# Altium PCB HSBNE-IO.PcbDoc (part 1 of 2) (continued)
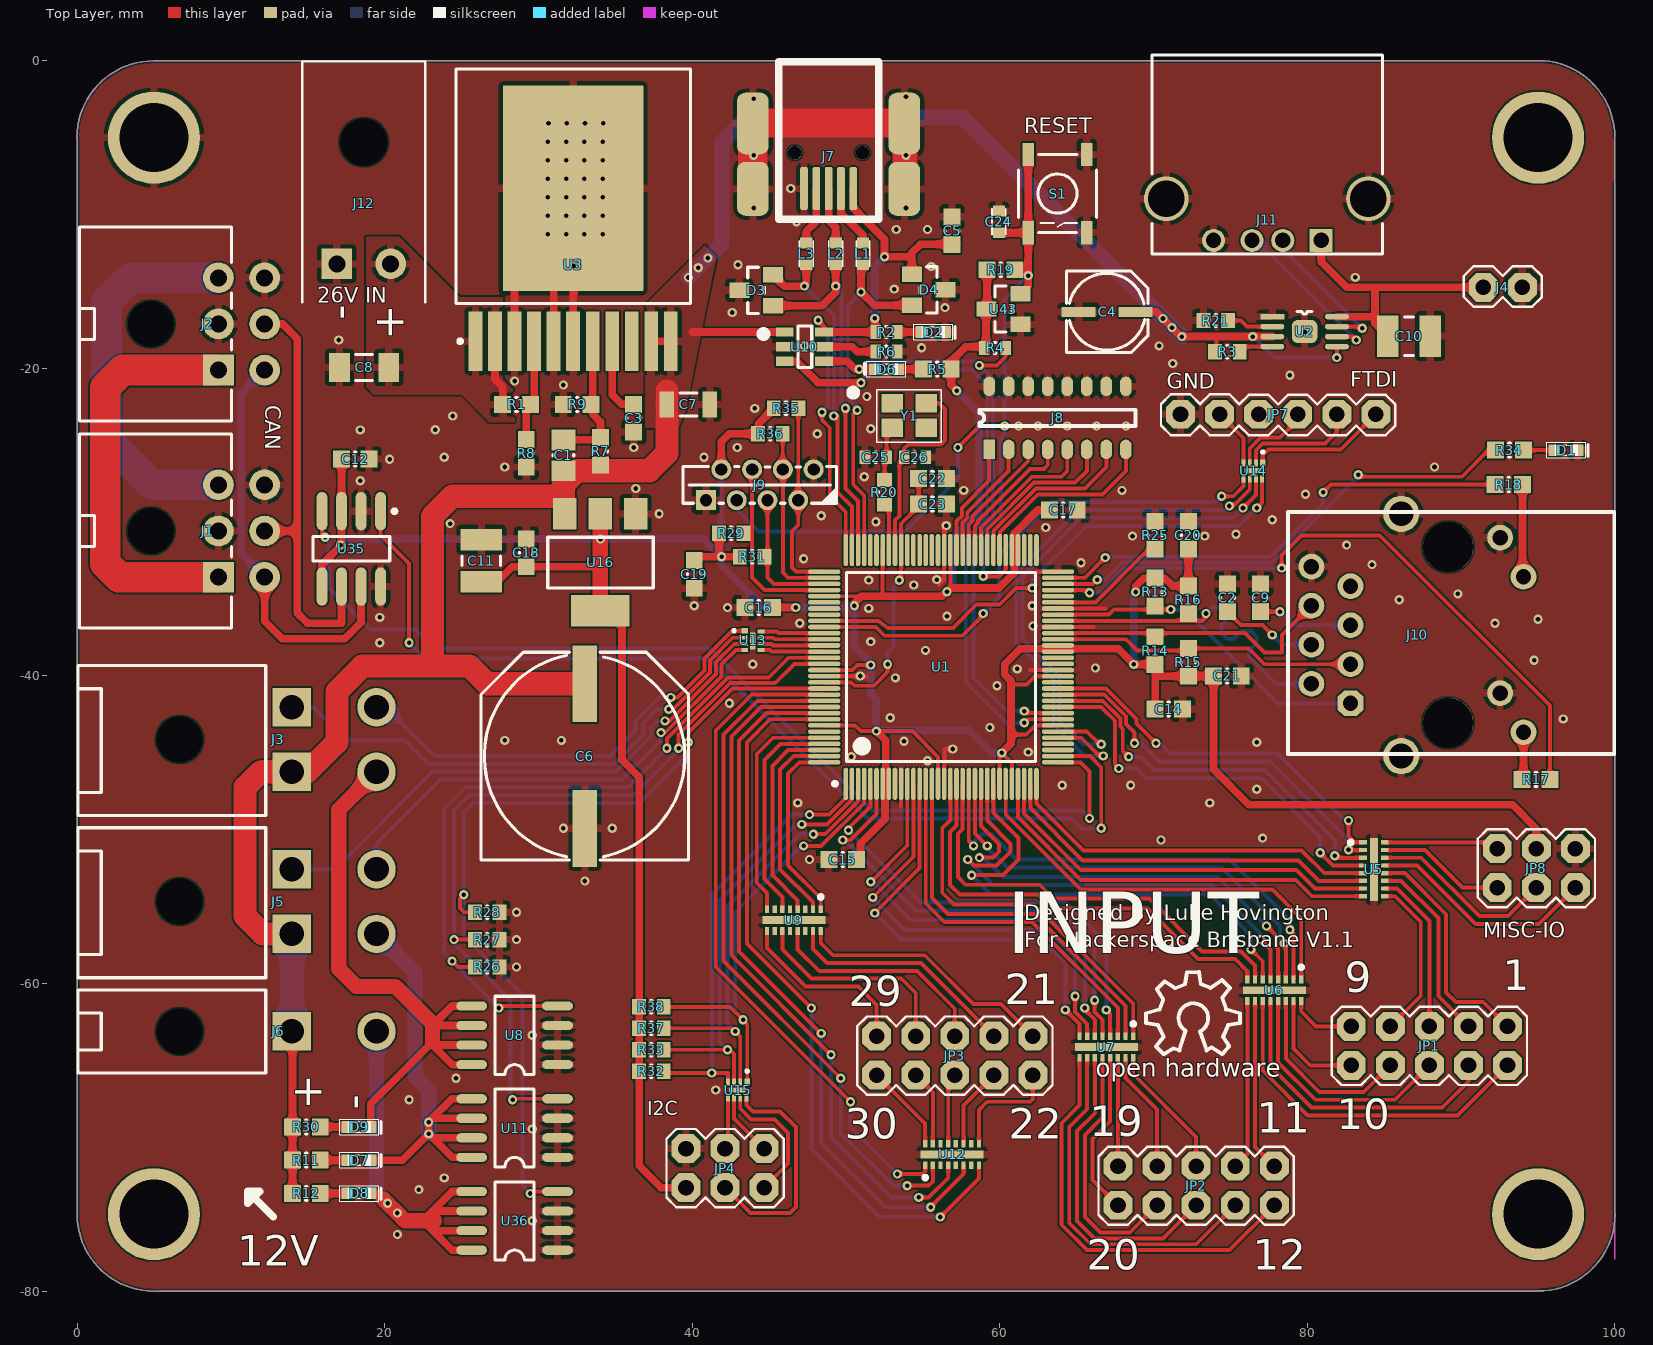
[diagram p0: Top Layer view]
## Footprints (in the part's own frame and the unit in brackets; to place one, negate y for a bottom-side part, rotate by r counter-clockwise, add the part's x,y. Pads: shape width x height; smd on the part's side, far side on the other; paste and mask are expansions set on the pad) (continued)
TACTILE_SWITCH_SMD [mil]
  rect 60x30 smd: 1(-100,75) 2(100,75) 3(-100,-75) 4(100,-75)
  silkscreen extent -100,-100 100,100, body extent -103,-108 103,103, height 122
TE-1734366-1_V [mm] "Connector, 6-Leads, Body 7.62x15mm"
  rect 1.5x1.5 hole 1: 1(0,0)
  round 1.5 hole 1: 2(2.5,0) 3(4.5,0) 4(7,0)
  round 2.9 hole 2.38: 5(-3.07,-2.71) 6(10.07,-2.71)
  silkscreen extent -4,-12.06 11,0.89, body extent -3.87,-12.91 10.98,0.89, height 7.6
TI-PDT128_M [mm] "Thin QFP, 128-Leads, Body 14x14mm, Pitch 0.4mm, IPC Low Density"
  oval 2.1x0.3 smd: 1(-7.6,6.2) 2(-7.6,5.8) 3(-7.6,5.4) 4(-7.6,5) 5(-7.6,4.6) 6(-7.6,4.2) 7(-7.6,3.8) 8(-7.6,3.4) 9(-7.6,3) 10(-7.6,2.6) 11(-7.6,2.2) 12(-7.6,1.8) 13(-7.6,1.4) 14(-7.6,1) 15(-7.6,0.6) 16(-7.6,0.2) 17(-7.6,-0.2) 18(-7.6,-0.6) 19(-7.6,-1) 20(-7.6,-1.4) 21(-7.6,-1.8) 22(-7.6,-2.2) 23(-7.6,-2.6) 24(-7.6,-3) 25(-7.6,-3.4) 26(-7.6,-3.8) 27(-7.6,-4.2) 28(-7.6,-4.6) 29(-7.6,-5) 30(-7.6,-5.4) 31(-7.6,-5.8) 32(-7.6,-6.2) 65(7.6,-6.2) 66(7.6,-5.8) 67(7.6,-5.4) 68(7.6,-5) 69(7.6,-4.6) 70(7.6,-4.2) 71(7.6,-3.8) 72(7.6,-3.4) 73(7.6,-3) 74(7.6,-2.6) 75(7.6,-2.2) 76(7.6,-1.8) 77(7.6,-1.4) 78(7.6,-1) 79(7.6,-0.6) 80(7.6,-0.2) 81(7.6,0.2) 82(7.6,0.6) 83(7.6,1) 84(7.6,1.4) 85(7.6,1.8) 86(7.6,2.2) 87(7.6,2.6) 88(7.6,3) 89(7.6,3.4) 90(7.6,3.8) 91(7.6,4.2) 92(7.6,4.6) 93(7.6,5) 94(7.6,5.4) 95(7.6,5.8) 96(7.6,6.2)
  oval 0.3x2.1 smd: 33(-6.2,-7.6) 34(-5.8,-7.6) 35(-5.4,-7.6) 36(-5,-7.6) 37(-4.6,-7.6) 38(-4.2,-7.6) 39(-3.8,-7.6) 40(-3.4,-7.6) 41(-3,-7.6) 42(-2.6,-7.6) 43(-2.2,-7.6) 44(-1.8,-7.6) 45(-1.4,-7.6) 46(-1,-7.6) 47(-0.6,-7.6) 48(-0.2,-7.6) 49(0.2,-7.6) 50(0.6,-7.6) 51(1,-7.6) 52(1.4,-7.6) 53(1.8,-7.6) 54(2.2,-7.6) 55(2.6,-7.6) 56(3,-7.6) 57(3.4,-7.6) 58(3.8,-7.6) 59(4.2,-7.6) 60(4.6,-7.6) 61(5,-7.6) 62(5.4,-7.6) 63(5.8,-7.6) 64(6.2,-7.6) 97(6.2,7.6) 98(5.8,7.6) 99(5.4,7.6) 100(5,7.6) 101(4.6,7.6) 102(4.2,7.6) 103(3.8,7.6) 104(3.4,7.6) 105(3,7.6) 106(2.6,7.6) 107(2.2,7.6) 108(1.8,7.6) 109(1.4,7.6) 110(1,7.6) 111(0.6,7.6) 112(0.2,7.6) 113(-0.2,7.6) 114(-0.6,7.6) 115(-1,7.6) 116(-1.4,7.6) 117(-1.8,7.6) 118(-2.2,7.6) 119(-2.6,7.6) 120(-3,7.6) 121(-3.4,7.6) 122(-3.8,7.6) 123(-4.2,7.6) 124(-4.6,7.6) 125(-5,7.6) 126(-5.4,7.6) 127(-5.8,7.6) 128(-6.2,7.6)
  silkscreen extent -7.72,-6.15 6.15,7.02, body extent -7,-7 7,7, height 1.2

## Part data
C1: library part CMP-1036-04051-1, "CAP 22nF 25V ±5% 0805 (2012 Metric) Thickness 1mm SMD", Case-EIA=0805, Case-Metric=2012, Rated Voltage="25 V", Tolerance=±5%, Max Thickness="1 mm", Technology=SMT
C2 C9: library part CMP-1035-02594-1, "CAP 100nF 50V -20% to +80% 0603 (1608 Metric) Thickness 1mm SMD", Case-EIA=0603, Case-Metric=1608, Rated Voltage="50 V", Tolerance="-20% to +80%", Max Thickness="1 mm", Technology=SMT
C3: library part CMP-1035-00333-1, "CAP 4.7nF 50V ±20% 0603 (1608 Metric) Thickness 1mm SMD", Case-EIA=0603, Case-Metric=1608, Rated Voltage="50 V", Tolerance=±20%, Max Thickness="1 mm", Technology=SMT
C4: library part Cap_Polarized_100uF, "Polarized Capacitor (Surface Mount)", Supplier Part Number 1=PCE4718CT-ND, LatestRevisionDate=29-May-2009, LatestRevisionNote="IPC-7351 Footprint Added.", PackageDescription="Chip Capacitor", PackageReference=C0805, Published=8-Jun-2000, Publisher="Altium Limited", Supplier 1=Digi-Key, Supplier 2=Mouser, Supplier Part Number 2=667-EEE-HAJ101WAR
C5 C12 C14 C15 C16 C17 C20 C21 C22: library part CMP-1035-00010-1, "CAP 100nF 50V ±0.1pF 0603 (1608 Metric) Thickness 1mm SMD", Case-EIA=0603, Case-Metric=1608, Rated Voltage="50 V", Tolerance=±0.1pF, Max Thickness="1 mm", Technology=SMT
C6: library part Cap_Polarized_1000uF, "Polarized Capacitor (Surface Mount)", Supplier Part Number 1=PCE3462CT-ND, LatestRevisionDate=29-May-2009, LatestRevisionNote="IPC-7351 Footprint Added.", PackageDescription="Chip Capacitor", PackageReference=C0805, Published=8-Jun-2000, Publisher="Altium Limited", Supplier 1=Digi-Key, Supplier 2=Mouser, Supplier Part Number 2=140-VE102M1ETR1313
C7: library part CMP-1037-00376-1, "CAP 47uF 25V ±0.25pF 1206 (3216 Metric) Thickness 1mm SMD", Case-EIA=1206, Case-Metric=3216, Rated Voltage="25 V", Tolerance=±0.25pF, Max Thickness="1 mm", Technology=SMT
C8: library part CMP-1037-04982-1, "CAP 10uF 50V ±10% 1206 (3216 Metric) Thickness 1.9mm SMD", Case-EIA=1206, Case-Metric=3216, Rated Voltage="50 V", Tolerance=±10%, Max Thickness="1.9 mm", Technology=SMT
C10 C11: library part CMP-1038-02259-1, "CAP 22uF 6.3V ±10% 1210 (3225 Metric) Thickness 2.2mm SMD", Case-EIA=1210, Case-Metric=3225, Rated Voltage="6.3 V", Tolerance=±10%, Max Thickness="2.2 mm", Technology=SMT
C18 C19: library part CMP-1035-00037-1, "CAP 1uF 25V ±0.25pF 0603 (1608 Metric) Thickness 1mm SMD", Case-EIA=0603, Case-Metric=1608, Rated Voltage="25 V", Tolerance=±0.25pF, Max Thickness="1 mm", Technology=SMT
C23: library part CMP-1035-02796-1, "CAP 10uF 6.3V ±10% 0603 (1608 Metric) Thickness 1mm SMD", Case-EIA=0603, Case-Metric=1608, Rated Voltage="6.3 V", Tolerance=±10%, Max Thickness="1 mm", Technology=SMT
C24: library part Cap_100pF, "Capacitor (Semiconductor SIM Model)", LatestRevisionDate=29-May-2009, LatestRevisionNote="IPC-7351 Footprint Added.", PackageDescription="Chip Capacitor", PackageReference=C1206, Published=8-Jun-2000, Publisher="Altium Limited"
C25 C26: library part CMP-1035-00602-1, "CAP 12pF 16V ±0.25pF 0603 (1608 Metric) Thickness 1mm SMD", Case-EIA=0603, Case-Metric=1608, Rated Voltage="16 V", Tolerance=±0.25pF, Max Thickness="1 mm", Technology=SMT
D1 D2 D6 D7 D8 D9: "Typical RED, GREEN, YELLOW, AMBER GaAs LED", Supplier Part Number 1=475-1409-1-ND, LatestRevisionDate=17-Jul-2002, LatestRevisionNote="Re-released for DXP Platform.", PackageDescription="SM LED; 2 Flat Leads", PackageReference=3.2X1.6X1.1, PackageVersion=Feb-2002, Published=8-Jun-2000, Publisher="Altium Limited", Supplier 1=Digi-Key, Supplier 2=Mouser, Supplier Part Number 2=720-LGQ971-KN-1
D3 D4: library part 2749, "DIO GSOT12C ESD 2LINE 12V SOT23", MPN=GSOT12C-E3-08, COST1K=0.11250, COST10=0.3750, COST100=0.25000, MAN="Vishay Semiconductor Diodes Division", SPN=GSOT12C-E3-08DKR-ND, Supplier=Digi-Key
J1 J2: library part CON6, CID=317
J3 J5: library part "Header 2x2", "Header, 4-Pin", Supplier Part Number 1=1593440, Supplier 1=Farnell
J4 J6 J12: library part CON2, "6.35mm right-angle 90° male spade terminal PCB mount", CID=643, CID2=643, CID3=643
J7: library part CMP-0411-00002-1, "USB, MINI, SMD, RA KME04-USBMU03A01", Manufacturer=Molex, ComponentLink1Description="Manufacturer URL", ComponentLink1URL=http://www.molex.com/, ComponentLink2Description=Datasheet, ComponentLink2URL=http://www.molex.com/pdm_docs/sd/675031020_sd.pdf, DatasheetVersion="Rev F, 06/2009", Mounting Technology="Surface Mount", PackageDescription="Mini USB Connector, SMT, Righer Angle", PackageReference=67503-1020, PartNumber=67503-1020, Terminal Pitch="0.8 mm"
J8: library part DIP8, Supplier Part Number 1=CT3111-ND, Supplier 1=Digikey
J9: library part CON8, CID=238
J10: Supplier Part Number 1=ARJC02-111008B-ND, Supplier 1=Digikey
J11: library part CMP-1684-00007-1, "Recept Assy, Vertical, 4 Position, Thru-Hole, Type A USB, RoHS, Tray", Case\Package=SMA, Forward Voltage="500 mV", Max Operating Temperature="125 degC", Max Surge Current="40 A", Min Operating Temperature="-65 degC", Package Quantity=7500, Peak Reverse Current="200 uA", ComponentLink1Description="Manufacturer URL", ComponentLink1URL=http://www.te.com/, ComponentLink2Description=Datasheet, ComponentLink2URL=http://www.te.com/commerce/DocumentDelivery/DDEController?Action=showdoc&DocId=Customer+Drawing%7F1734366%7FC3%7Fpdf%7FEnglish%7FENG_CD_1734366_C3.pdf%7F1734366-1, DatasheetVersion="Rev. C3, 03/2016", Mount="Surface Mount", PackageDescription="6-Pin Through Hole Device, Length 15 mm, Height 15 mm, Tail Length 2.8 mm", PackageReference=1734366-1, Packaging="Tape and Reel", Pins=2, Radiation Hardening=No, REACH SVHC="No SVHC", RoHSCompliant=true
JP1 JP2 JP3: library part "Header 5x2", "Header, 8-Pin", Supplier Part Number 1=1593440, Supplier 1=Farnell
JP4 JP8: library part "Header 3x2", "Header, 6-Pin", Supplier Part Number 1=952-1788-ND, Supplier 1=Digi-Key, Supplier 2=Mouser, Supplier Part Number 2=855-M20-9980446
JP7: library part "Header 6", "Header, 6-Pin", Supplier Part Number 1=952-2270-ND, Supplier 1=Digi-Key, Supplier 2=Mouser, Supplier Part Number 2=538-90120-1086
L1 L2 L3: library part 2982, "IND FERRITE CHIP BEAD 1000 OHM @ 100MHz 800mA 0603", COST1K=0.02717, COST10=0.0790, COST100=0.04720, MAN="TDK Corporation", MPN=MPZ1608S102A, SPN=445-8694-6-ND, Supplier=Digi-Key
R1 R26 R27 R28 R29 R31 R32 R33 R35 R36 R37 R38: library part CMP-1012-00098-1, "10K 0.1W 5% 0603 (1608 Metric)  SMD", Case-EIA=0603, Case-Metric=1608, Power="0.1 W", Tolerance="5 %", Technology=SMT
R2: library part CMP-1012-00056-1, "180R 0.1W 5% 0603 (1608 Metric)  SMD", Case-EIA=0603, Case-Metric=1608, Power="0.1 W", Tolerance="5 %", Technology=SMT
R3 R21: library part CMP-1012-00660-1, "22K1 0.1W 1% 0603 (1608 Metric)  SMD", Case-EIA=0603, Case-Metric=1608, Power="0.1 W", Tolerance="1 %", Technology=SMT
R4 R6: library part CMP-1012-00103-1, "16K 0.1W 5% 0603 (1608 Metric)  SMD", Case-EIA=0603, Case-Metric=1608, Power="0.1 W", Tolerance="5 %", Technology=SMT
R5: library part CMP-1012-00046-1, "68R 0.1W 5% 0603 (1608 Metric)  SMD", Case-EIA=0603, Case-Metric=1608, Power="0.1 W", Tolerance="5 %", Technology=SMT
R7: library part CMP-1012-00096-1, "8K2 0.1W 5% 0603 (1608 Metric)  SMD", Case-EIA=0603, Case-Metric=1608, Power="0.1 W", Tolerance="5 %", Technology=SMT
R8 R9: library part CMP-1012-00078-1, "1K5 0.1W 5% 0603 (1608 Metric)  SMD", Case-EIA=0603, Case-Metric=1608, Power="0.1 W", Tolerance="5 %", Technology=SMT
R11 R12 R17 R18 R30 R34: library part CMP-1012-00058-1, "220R 0.1W 5% 0603 (1608 Metric)  SMD", Case-EIA=0603, Case-Metric=1608, Power="0.1 W", Tolerance="5 %", Technology=SMT
R13 R14 R15 R16: library part CMP-1012-00042-1, "49.9R 0.1W 5% 0603 (1608 Metric)  SMD", Case-EIA=0603, Case-Metric=1608, Power="0.1 W", Tolerance="5 %", Technology=SMT
R19: library part CMP-1012-00083-1, "2K43 0.1W 5% 0603 (1608 Metric)  SMD", Case-EIA=0603, Case-Metric=1608, Power="0.1 W", Tolerance="5 %", Technology=SMT
R20: library part CMP-1012-00081-1, "2K 0.1W 5% 0603 (1608 Metric)  SMD", Case-EIA=0603, Case-Metric=1608, Power="0.1 W", Tolerance="5 %", Technology=SMT
R25: library part CMP-1012-00090-1, "4K87 0.1W 5% 0603 (1608 Metric)  SMD", Case-EIA=0603, Case-Metric=1608, Power="0.1 W", Tolerance="5 %", Technology=SMT
S1: library part SW-PB, "Switch", Supplier Part Number 1=P12931SCT-ND, LatestRevisionDate=17-Jul-2002, LatestRevisionNote="Re-released for DXP Platform.", PackageDescription="Switch; 2 Leads", PackageReference=SPST-2, Published=24-Mar-1999, Publisher="Altium Limited", Supplier 1=Digi-Key
U1: library part CMP-0945-00007-1, "Tiva C Series Microcontroller, 1024 KB Flash, 256 KB SRAM, 12 Bit, 20 Channels, -40 to 85 degC, 128-Pin TQFP (PDT), Green (RoHS & no Sb/Br), Tape and Reel", Manufacturer="Texas Instruments", Temperature Range="-40 to 85 degC", ADC Channels=20, ADC Resolution="12 Bits", ComponentLink1Description="Manufacturer URL", ComponentLink1URL=http://www.ti.com/, ComponentLink2Description=Datasheet, ComponentLink2URL=http://www.ti.com/lit/ds/symlink/tm4c1294ncpdt.pdf, ComponentLink3Description="Package Specification", ComponentLink3URL=http://www.ti.com/lit/ml/mpqf013/mpqf013.pdf, CPU="ARM Cortex-M4", DatasheetVersion=15863.2743, Eco-Plan="Green (RoHS & no Sb/Br)", Flash="1024 KB", Max Speed="120 MHz", Mounting Technology="Surface Mount", PackageDescription="128-Pin Thin Quad Flat Package, Body 14 x 14 mm, Pitch 0.4 mm", PackageVersion=4087726/A, Packing="Tape and Reel", PartId=2, PartNumber=TM4C1294NCPDTI3R, SRAM="256 KB"
U2: "USB Dedicated Charging Port, Power Switch", Supplier Part Number 1=296-30552-1-ND, Supplier 1=Digikey
U3: library part CMP-0069-02067-2, "10A SIMPLE SWITCHER® Power Module with 36V Maximum Input Voltage and Current Sharing, 11 pin TO-PMOD, 32 Rail", Manufacturer="Texas Instruments", PackageTopMarking=NSUZXYTTE#*LMZ23610, PowerWise=N, ComponentLink1Description="Datasheet URL", ComponentLink1URL=http://www.ti.com/general/docs/lit/getliterature.tsp?genericPartNumber=LMZ23610&fileType=pdf, CompType=Switcher, PackageDescription="TO-PMOD, 15 x 15 x 5.9 mm Body, 11 Lead, 1.27 mm Pitch, Surface Mount", PackageReference=NDY0011A, PinCount=11, RoHS=Y
U5 U6 U7 U9 U12: library part CMP-1065-00001-1, "8-Channel EMI Filter with Integrated ESD Protection, -40 to 85 degC, 16-Pin DFN, Pb-Free, Tape and Reel", Manufacturer="On Semiconductor", ComponentLink1Description="Manufacturer URL", ComponentLink1URL=http://www.onsemi.com/, ComponentLink2Description=Datasheet, ComponentLink2URL=http://www.onsemi.com/pub/Collateral/NUF8402MN-D.PDF, ComponentLink3Description="Package Specification", ComponentLink3URL=http://www.onsemi.com/pub_link/Collateral/506AC.PDF, DatasheetVersion="Rev. 7", Mounting Technology="Surface Mount", Number of Lines=8, PackageDescription="16-Pin Small Outline No-Lead, Body 4 x 1.6 mm, Pitch 0.5 mm", PackageReference=DFN-16-506AC, PackageVersion="Rev. D, 08/2013", Packing="Tape and Reel", PartNumber=NUF8402MNT4G, RoHS=Pb-Free, V(BR) Typ (V)=7, VRWM Max (V)=5
U8 U11 U36: "MOSFET N-CH 60V 1.3A S08", Manufacturer="On Semiconductor", PartNumber=NCV8402ASTT1G, Channel Polarity="N Channel", ComponentLink1Description="Manufacturer URL", ComponentLink1URL=http://www.onsemi.com/, ComponentLink2Description=Datasheet, ComponentLink2URL=http://www.onsemi.com/pub_link/Collateral/NCV8402-D.PDF, ComponentLink3Description="Package Specification", ComponentLink3URL=http://www.onsemi.com/pub_link/Collateral/318E-04.PDF, DatasheetVersion="Rev. 8", Mounting Technology="Surface Mount", PackageDescription="4-Pin Small Outline Transistor, Body 6.5 x 3.5 mm, Pitch 2.3 mm", PackageReference=SOT-223-4-318E-04, PackageVersion="Rev. N, 08/2009", Packing="Tape and Reel", RoHS=Pb-Free
U10: library part RT9728A, "BD2242G-GTR", Supplier Part Number 1=BD2242G-GCT-ND, Supplier 1=Digi-Key
U13 U14 U15: library part CMP-1066-00052-1, "4-Channel EMI Filter with Integrated ESD Protection, -40 to 85 degC, 8-Pin UDFN, Pb-Free, Tape and Reel", Manufacturer="On Semiconductor", ComponentLink1Description="Manufacturer URL", ComponentLink1URL=http://www.onsemi.com/, ComponentLink2Description=Datasheet, ComponentLink2URL=http://www.onsemi.cn/pub_link/Collateral/NUF4001MU-D.PDF, ComponentLink3Description="Package Specification", ComponentLink3URL=http://www.onsemi.com/pub_link/Collateral/517AD.PDF, DatasheetVersion="Rev. 7", Mounting Technology="Surface Mount", Number of Lines=4, PackageDescription="8-Pin Small Outline No-Lead, Body 1.8 x 1.2 mm, Pitch 0.4 mm", PackageReference=UDFN-8-517AD, PackageVersion="Rev. D, 10/2012", Packing="Tape and Reel", PartNumber=NUF4001MUT2G, RoHS=Pb-Free, V(BR) Typ (V)=7, VRWM Max (V)=5
U16: library part AZ1117EH, "Reg 1A 3V3 OUT SIP VERT", Supplier Part Number 1=AZ1117EH-3.3TRG1DICT-ND, Supplier 1=Digi-Key
U35: library part CMP-0315-00083-1, "3.3V CAN Transceiver with Sleep Mode, 6 mA, -40 to 125 degC, 8-pin SOIC (D), Green (RoHS & no Sb/Br)", Bus Fault Voltage(V)=+/-30, Drivers Per Package=1, Low Power Mode=Sleep, Manufacturer="Texas Instruments", Rating=Catalog, Supply Voltage(s)(V)=3.3, Code_JEDEC=MS-012AA, ComponentLink1Description=Datasheet, ComponentLink1URL=http://www.ti.com/general/docs/lit/getliterature.tsp?genericPartNumber=SN65HVD234&fileType=pdf, DatasheetVersion=SLLS557F, Eco-Plan="Green (RoHS & no Sb/Br)", ICC(Max)(mA)=6, Isolated=No, Mounting Technology="Surface Mount", PackageDescription="8-Pin Plastic Small Outline Integrated Circuit, 4.9 x 3.9 mm, Pitch 1.27 mm Pitch", PackageReference=D8, PackageVersion="revM, Jun-2011", PartNumber=SN65HVD234D, Receivers Per Package=1, SubFamily=CAN, Transient Pulse Protection(V)="-100 to 100"
U43: "IC MPU RESET CIRC 3.08V SOT23R-3", Supplier Part Number 1=APX803-31SRG-7DICT-ND, Supplier 1=Digi-Key
Y1: library part Crystal_25MHz, "Surface Mount Quartz Crystal", PackageDocument=28-Aug-2001, Supplier Part Number 1=644-1259-1-ND, ComponentLink1Description="Manufacturer Link", ComponentLink1URL=http://www.cmac.com/mt/, ComponentLink2Description=Datasheet, ComponentLink2URL=http://www.cmac.com/mt/databook/crystals/smd/90_91_smx.pdf, DatasheetDocument=28-Aug-2001, Note="PCB layout complies with manufacturer's recommendation.", PackageReference=91SMX, Published=17-Jul-2002, Publisher="Altium Limited", Supplier 1=Digi-Key

## Free pads (board coordinates)
  round 6 hole 4.5 unplated: ""(5,-75) ""(95,-75) ""(95,-5)
  round 6 hole 4.5: ""(5,-5)

## Via types
v1: diameter 0.6, hole 0.3, Top Layer to Bottom Layer, tented both sides, 248 vias
v2: diameter 0.6, hole 0.3, Top Layer to Bottom Layer, tented bottom, 33 vias

## Nets (pads, with @x,y where several pads share a name; then routed paths per layer and width w, separated by ;. In a path a pad name is that pad's centre, name@x,y a point inside that pad or via, vN(x,y) a via of type N, cw(c..) or ccw(c..) an arc to the next point about the centre after c; other vN are vias at no path point)
3V3: C11.2 C12.2 C14.2 C15.2 C16.2 C17.2 C18.2 C19.2 C20.2 C21.2 J9.2 JP4.1 JP8.4 R4.2 R5.2 R13.2 R14.2 R15.2 R16.2 R19.2 R29.2 R31.2 R32.2 R33.2 R35.1 R36.1 R37.2 R38.2 U1.7 U1.8 U1.16 U1.26 U1.28 U1.39 U1.47 U1.51 U1.52 U1.68 U1.69 U1.79 U1.90 U1.101 U1.113 U1.122 U16.2 U16.4 U35.3 U35.5 U43.3 | length 283.9
  Top Layer w0.254: U1.122@48.585,-43.221 50.597,-43.221 50.969,-43.593 v1(51.975,-43.593) 54.315,-43.593 55.985,-45.263 U1.16@55.985,-47.021 ; U1.113@48.585,-39.621 50.422,-39.621 50.749,-39.294 v1(51.613,-39.294) ; U1.101@48.585,-34.821 51.006,-34.821 ; 52.385,-34.811 U1.90@52.385,-31.821 ; 56.785,-34.122 U1.79@56.785,-31.821 ; U1.26@59.985,-47.021 59.985,-45.146 v1(60.122,-45.009) 60.785,-45.672 U1.28@60.785,-47.021 U1.28@60.785,-45.988 ; 60.729,-43.815 61.722,-43.815 62.316,-43.221 U1.39@63.785,-43.221 ; 60.757,-40.564 61.738,-40.564 62.281,-40.021 U1.47@63.785,-40.021
  Top Layer w0.5: U35.5@15.926,-34.19 15.926,-32.756 17.186,-31.496 v1(17.145,-31.496) 17.196,-31.445 U35.3@17.196,-29.29 C12.2@17.196,-25.909 ; C11.2@26.289,-33.887 27.327,-33.887 28.31,-32.904 C18.2@29.21,-32.904 34,-32.904 ; U16.4@34.366,-35.763 35.433,-36.83 35.433,-45.466 36.548,-46.581 R38.2@36.548,-61.519 R37.2@36.548,-62.916 R33.2@36.548,-64.313 R32.2@36.548,-65.71 36.548,-71.854 37.973,-73.279 JP4.1@39.594,-73.279 ; C19.2@40.132,-32.501 40.375,-32.258 v1(41.91,-32.258) ; R29.2@41.745,-30.734 41.745,-32.093 v1(41.91,-32.258) ; J9.2@41.894,-26.575 41.894,-24.781 42.418,-24.257 R36.1@44.285,-24.257 44.285,-23.622 R35.1@45.301,-22.606 ; R31.2@43.094,-32.258 v1(41.91,-32.258) ; C16.2@45.233,-35.55 v1(46.736,-35.55) ; v1(50.546,-35.433) 50.546,-35.281 51.006,-34.821 56.238,-34.821 56.769,-34.29 59.944,-34.29 60.96,-33.274 60.96,-30.734 62.484,-29.21 C17.2@63.235,-29.21 ; C15.2@50.938,-52.197 50.938,-50.916 52.533,-49.321 52.533,-47.797 52.578,-47.752 52.578,-44.196 v1(51.975,-43.593) ; v1(57.201,-21.453) 56.831,-21.083 R5.2@56.831,-20.056 56.831,-19.537 57.774,-18.594 59.106,-18.594 59.106,-16.18 U43.3@59.141,-16.145 ; U43.3@59.171,-16.115 R19.2@59.171,-13.589 ; v1(60.122,-45.009) 60.729,-44.402 60.729,-43.815 60.729,-40.333 60.325,-39.929 60.325,-39.243 61.341,-38.227 67.691,-38.227 v1(68.718,-39.254) R14.2@70.104,-39.254 70.104,-40.005 ; v1(68.834,-34.544) 68.834,-34.163 69.353,-33.644 R13.2@70.104,-33.644 70.728,-33.644 71.236,-34.152 R16.2@72.263,-34.152 C20.2@72.263,-31.761 ; C14.2@70.093,-42.164 70.104,-42.153 70.104,-40.005 ; C21.2@73.892,-40.016 R15.2@72.263,-40.016 70.115,-40.016 70.104,-40.005 ; C21.2@73.903,-40.005 73.903,-46.09 76.2,-48.387 93.345,-48.387 94.89,-49.932 JP8.4@94.89,-51.232
  Top Layer w1: U16.4@34.011,-35.763 U16.2@34.011,-29.464
  Bottom Layer w0.254: 41.894,-29.702 J9.2@41.894,-26.575
  Bottom Layer w0.5: v1(17.145,-31.496) 17.186,-31.496 17.577,-31.105 v1(34.036,-31.105) 40.757,-31.105 v1@41.894,-32.242 ; 41.894,-29.702 v1@41.894,-32.242 ; v1(41.91,-32.258) v1@41.894,-32.242 ; v1(56.566,-34.534) 56.947,-34.153 56.947,-31.064 58.674,-29.337 58.674,-22.926 v1(57.201,-21.453) ; v1(60.122,-45.009) 59.487,-45.009 58.005,-43.527 52.041,-43.527 v1(51.975,-43.593) 51.975,-41.561 51.613,-41.199 v1(51.613,-39.294) 51.613,-39.142 50.546,-38.075 v1(50.546,-35.433) 50.429,-35.55 v1(46.736,-35.55) 44.628,-35.55 41.894,-32.816 v1@41.894,-32.242 ; v1(68.718,-39.254) 68.718,-34.66 v1(68.834,-34.544)
5V: C1.2 C4.+ C6.+ C7.1 J3.1 J5.1 J6.1 R3.1 R7.1 R11.2 R12.2 R30.2 U2.3 U2.5 U3.10 U3.11 U10.1 U16.3 | length 158.7
  Top Layer w0.254: R3.1@74.103,-18.923 74.103,-17.999 ; v1(81.915,-19.304) 81.915,-18.596 U2.5@81.924,-18.587
  Top Layer w0.5: J6.1@13.97,-63.119 14.01,-63.159 R30.2@14.01,-69.332 R11.2@14.01,-71.491 R12.2@14.01,-73.65 ; U3.10@37.338,-18.241 U3.11@38.608,-18.241 ; 40.005,-17.643 U10.1@46.025,-17.643 ; C4.+@68.829,-16.329 70.177,-16.329 v1(70.612,-16.764) v1(71.199,-17.351) 71.785,-17.937 v1(71.844,-17.937) v1(76.454,-17.937) U2.3@77.724,-17.937
  Top Layer w1.5: J5.1@13.97,-56.778 12.074,-56.778 10.922,-55.626 10.922,-47.244 11.929,-46.237 J3.1@13.97,-46.237 14.977,-46.237 16.891,-44.323 16.891,-41.021 18.542,-39.37 22.606,-39.37 ; C6.+@33.02,-40.512 26.669,-40.512 25.527,-39.37 22.606,-39.37 ; 38.351,-21.463 38.351,-25.53 37.218,-26.663 32.519,-26.663 31.623,-27.559 31.623,-28.321 24.409,-28.321 23.107,-29.623 23.107,-38.869 22.606,-39.37
  Bottom Layer w0.254: v1(76.454,-17.937) 76.484,-17.937 77.851,-19.304 v1(81.915,-19.304)
  Bottom Layer w1: v1(39.751,-14.097) v1(40.386,-13.462) v1(41.021,-12.827) 41.91,-11.938 41.91,-5.31 43.537,-3.683 57.59,-3.683 v1(71.844,-17.937)
  Bottom Layer w1.5: J6.1@13.97,-63.119 J5.1@13.97,-56.778
26V: C8.1 J12.2 R1.2 U3.1 U3.2 | length 4.3
  Top Layer w0.5: U3.2@27.178,-18.241 27.178,-20.701 27.675,-21.198 R1.2@27.675,-22.352
ACT-LED: R18.2 U1.63 | length 31.4
  Top Layer w0.254: U1.63@63.785,-33.621 65.541,-33.621 v1(66.853,-32.309) ; v1(81.026,-28.067) 81.534,-27.559 R18.2@92.191,-27.559
  Bottom Layer w0.254: v1(66.853,-32.309) 66.904,-32.258 77.579,-32.258 81.026,-28.811 v1(81.026,-28.067)
AUX_1: U1.107 U13.8 | length 4.2
  Top Layer w0.254: U13.8@44.467,-37.119 45.501,-37.119 45.603,-37.221 U1.107@48.585,-37.221
AUX_1F: J3.4 U13.1 | length 29.5
  Top Layer w0.254: v1(38.608,-41.402) 39.033,-41.402 40.794,-39.641 40.794,-38.857 42.582,-37.069 U13.1@43.417,-37.069
  Bottom Layer w0.254: J3.4@19.47,-42.037 20.066,-42.037 23.241,-45.212 34.671,-45.212 36.322,-43.561 36.322,-42.926 37.846,-41.402 v1(38.608,-41.402)
AUX_2: U1.108 U13.7 | length 4.2
  Top Layer w0.254: U13.7@44.467,-37.519 45.266,-37.519 45.368,-37.621 U1.108@48.585,-37.621
AUX_2F: J3.2 U13.2 | length 35.3
  Top Layer w0.254: v1(38.481,-42.164) 38.772,-42.164 41.148,-39.788 41.148,-39.004 42.633,-37.519 U13.2@43.417,-37.519
  Bottom Layer w0.254: J3.2@13.97,-42.037 15.367,-42.037 17.526,-44.196 21.336,-44.196 22.86,-45.72 34.925,-45.72 36.83,-43.815 36.83,-43.053 37.719,-42.164 v1(38.481,-42.164)
AUX_EN: R26.2 U1.111 U8.4 | length 49.1
  Top Layer w0.254: v1(24.384,-58.547) 24.765,-58.928 R26.2@25.87,-58.928 ; v1(27.432,-61.595) 27.559,-61.468 U8.4@31.242,-61.468 ; v1(38.354,-44.704) 38.354,-44.084 42.325,-40.113 44.977,-40.113 46.269,-38.821 U1.111@48.585,-38.821
  Bottom Layer w0.254: v1(27.432,-61.595) v1(24.384,-58.547) 23.876,-58.039 23.876,-48.641 25.273,-47.244 35.814,-47.244 v1(38.354,-44.704)
AUX_GND: D9.2 J3.3 U8.5 U8.6 U8.7 U8.8 | length 41.1
  Top Layer w0.5: D9.2@19.101,-69.332 19.101,-67.818 22.863,-64.056 22.863,-63.751 23.12,-64.008 ; 23.114,-62.738 U8.6@25.654,-62.738 ; 23.114,-62.732 24.378,-61.468 U8.5@25.654,-61.468 ; U8.8@25.654,-65.278 24.39,-65.278 23.12,-64.008 ; U8.7@25.654,-64.008 23.12,-64.008
  Top Layer w1: J3.3@19.47,-46.237 17.018,-48.689 17.018,-59.055 18.161,-60.198 20.701,-60.198 23.114,-62.611 23.114,-62.732 23.114,-62.738 23.114,-63.627
CAN0RX: U1.33 U35.4 | length 66.2
  Top Layer w0.254: U35.4@15.926,-29.29 15.926,-30.785 v1(16.129,-30.988) ; U1.33@63.785,-45.621 65.24,-45.621 65.837,-46.218 v1(65.837,-49.266)
  Bottom Layer w0.254: v1(16.129,-30.988) 16.383,-31.242 16.383,-34.29 19.076,-36.983 21.997,-36.983 23.241,-38.227 41.148,-38.227 51.679,-48.758 65.329,-48.758 v1(65.837,-49.266)
CAN0TX: U1.34 U35.1 | length 66.5
  Top Layer w0.254: U35.1@19.736,-29.29 19.736,-30.851 21.59,-32.705 v1(21.59,-37.846) ; U1.34@63.808,-45.198 U1.34@63.785,-45.221 65.856,-45.221 66.599,-45.964 v1(66.599,-49.901)
  Bottom Layer w0.254: v1(21.59,-37.846) 22.606,-38.862 41.021,-38.862 51.435,-49.276 64.643,-49.276 65.333,-49.966 66.534,-49.966 v1(66.599,-49.901)
"CAN H": J1.4 J2.4 U35.7 | length 27.1
  Top Layer w0.5: J1.4@12.195,-33.579 12.195,-36.452 13.335,-37.592 17.399,-37.592 18.466,-36.525 U35.7@18.466,-34.19
  Bottom Layer w0.5: J1.4@12.195,-33.579 10.668,-32.052 10.668,-21.644 J2.4@12.195,-20.117
"CAN L": J1.5 J2.5 U35.6 | length 28
  Top Layer w0.5: J1.5@12.195,-30.579 14.323,-30.579 ; J2.5@12.195,-17.117 13.368,-17.117 14.323,-18.072 14.323,-30.579 ; U35.6@17.196,-34.19 17.196,-36.576 14.986,-36.576 14.323,-35.913 14.323,-30.579
CAN_SHIELD: J1.3 J2.3 | length 25.4
  Bottom Layer w2: J1.3@9.195,-27.579 4.907,-27.579 1.905,-24.577 1.905,-15.662 3.45,-14.117 J2.3@9.195,-14.117
CAN_V: J1.1 J2.1 | length 27
  Top Layer w2: J1.1@9.195,-33.579 2.718,-33.579 1.829,-32.69 1.829,-21.26 2.972,-20.117 J2.1@9.195,-20.117
EN0LED2: R34.2 U1.62 | length 32.3
  Top Layer w0.254: U1.62@63.785,-34.021 66.073,-34.021 v1(66.345,-33.749) v1@66.345,-33.833 ; v1(83.312,-26.924) 83.439,-27.051 90.043,-27.051 91.77,-25.324 R34.2@92.242,-25.324
  Bottom Layer w0.254: v1(66.345,-33.749) 66.842,-33.749 67.956,-32.635 77.703,-32.635 83.312,-27.026 v1(83.312,-26.924)
EP_LED_1: J10.9 R17.1 | length 3.1
  Top Layer w0.5: R17.1@93.969,-46.736 94.054,-46.651 J10.9@94.054,-43.663
EP_LED_2: J10.11 R18.1 | length 6
  Top Layer w0.5: R18.1@93.991,-27.559 93.991,-33.49 J10.11@94.054,-33.553
EXT_1: U1.110 U13.5 | length 4.2
  Top Layer w0.254: U13.5@44.467,-38.319 45.05,-38.319 45.152,-38.421 U1.110@48.585,-38.421
EXT_1F: J5.4 U13.4 | length 31.6
  Top Layer w0.254: v1(37.973,-43.688) 38.249,-43.688 41.91,-40.027 41.91,-39.243 42.834,-38.319 U13.4@43.417,-38.319
  Bottom Layer w0.254: J5.4@19.47,-52.578 19.47,-50.888 23.622,-46.736 35.433,-46.736 37.973,-44.196 v1(37.973,-43.688)
EXT_2: U1.109 U13.6 | length 4.2
  Top Layer w0.254: U13.6@44.467,-37.919 45.158,-37.919 45.26,-38.021 U1.109@48.585,-38.021
EXT_2F: J5.2 U13.3 | length 36.4
  Top Layer w0.254: v1(38.227,-42.926) 38.51,-42.926 41.556,-39.88 41.556,-39.096 42.733,-37.919 U13.3@43.417,-37.919
  Bottom Layer w0.254: J5.2@13.97,-52.578 16.764,-52.578 23.114,-46.228 35.052,-46.228 37.338,-43.942 37.338,-43.307 37.719,-42.926 v1(38.227,-42.926)
EXT_EN: R27.2 U1.112 U11.4 | length 54.4
  Top Layer w0.254: v1(24.511,-57.15) R27.2@25.87,-57.15 ; v1(28.321,-67.564) 28.384,-67.501 U11.4@31.242,-67.501 ; v1(39.116,-44.704) 39.116,-43.822 42.471,-40.467 45.402,-40.467 46.648,-39.221 U1.112@48.585,-39.221 48.562,-39.244 47.529,-39.244
  Bottom Layer w0.254: v1(28.321,-67.564) 28.194,-67.437 28.194,-61.087 24.511,-57.404 v1(24.511,-57.15) 24.511,-48.768 25.527,-47.752 36.195,-47.752 39.116,-44.831 v1(39.116,-44.704)
EXT_GND: D7.2 J5.3 U11.5 U11.6 U11.7 U11.8 | length 31.6
  Top Layer w0.5: D7.2@19.101,-71.491 20.076,-71.491 21.155,-71.491 v1(22.863,-69.784) ; v1(22.857,-69.022) 23.108,-68.77 ; v1@22.863,-69.027 v1(22.863,-69.784) ; U11.8@25.654,-71.31 24.39,-71.31 23.12,-70.04 ; U11.7@25.654,-70.04 23.12,-70.04 ; U11.6@25.654,-68.77 23.108,-68.77 ; U11.5@25.654,-67.501 24.378,-67.501 23.108,-68.77 ; v1(22.863,-69.784) 23.12,-70.04
  Bottom Layer w1: J5.3@19.47,-56.778 21.971,-59.279 21.971,-66.04 22.857,-66.926 v1(22.857,-69.022) ; v1(22.863,-69.784) v1@22.863,-69.022